# Altium PCB xialeste.PcbDoc (part 2 of 10) (continued)
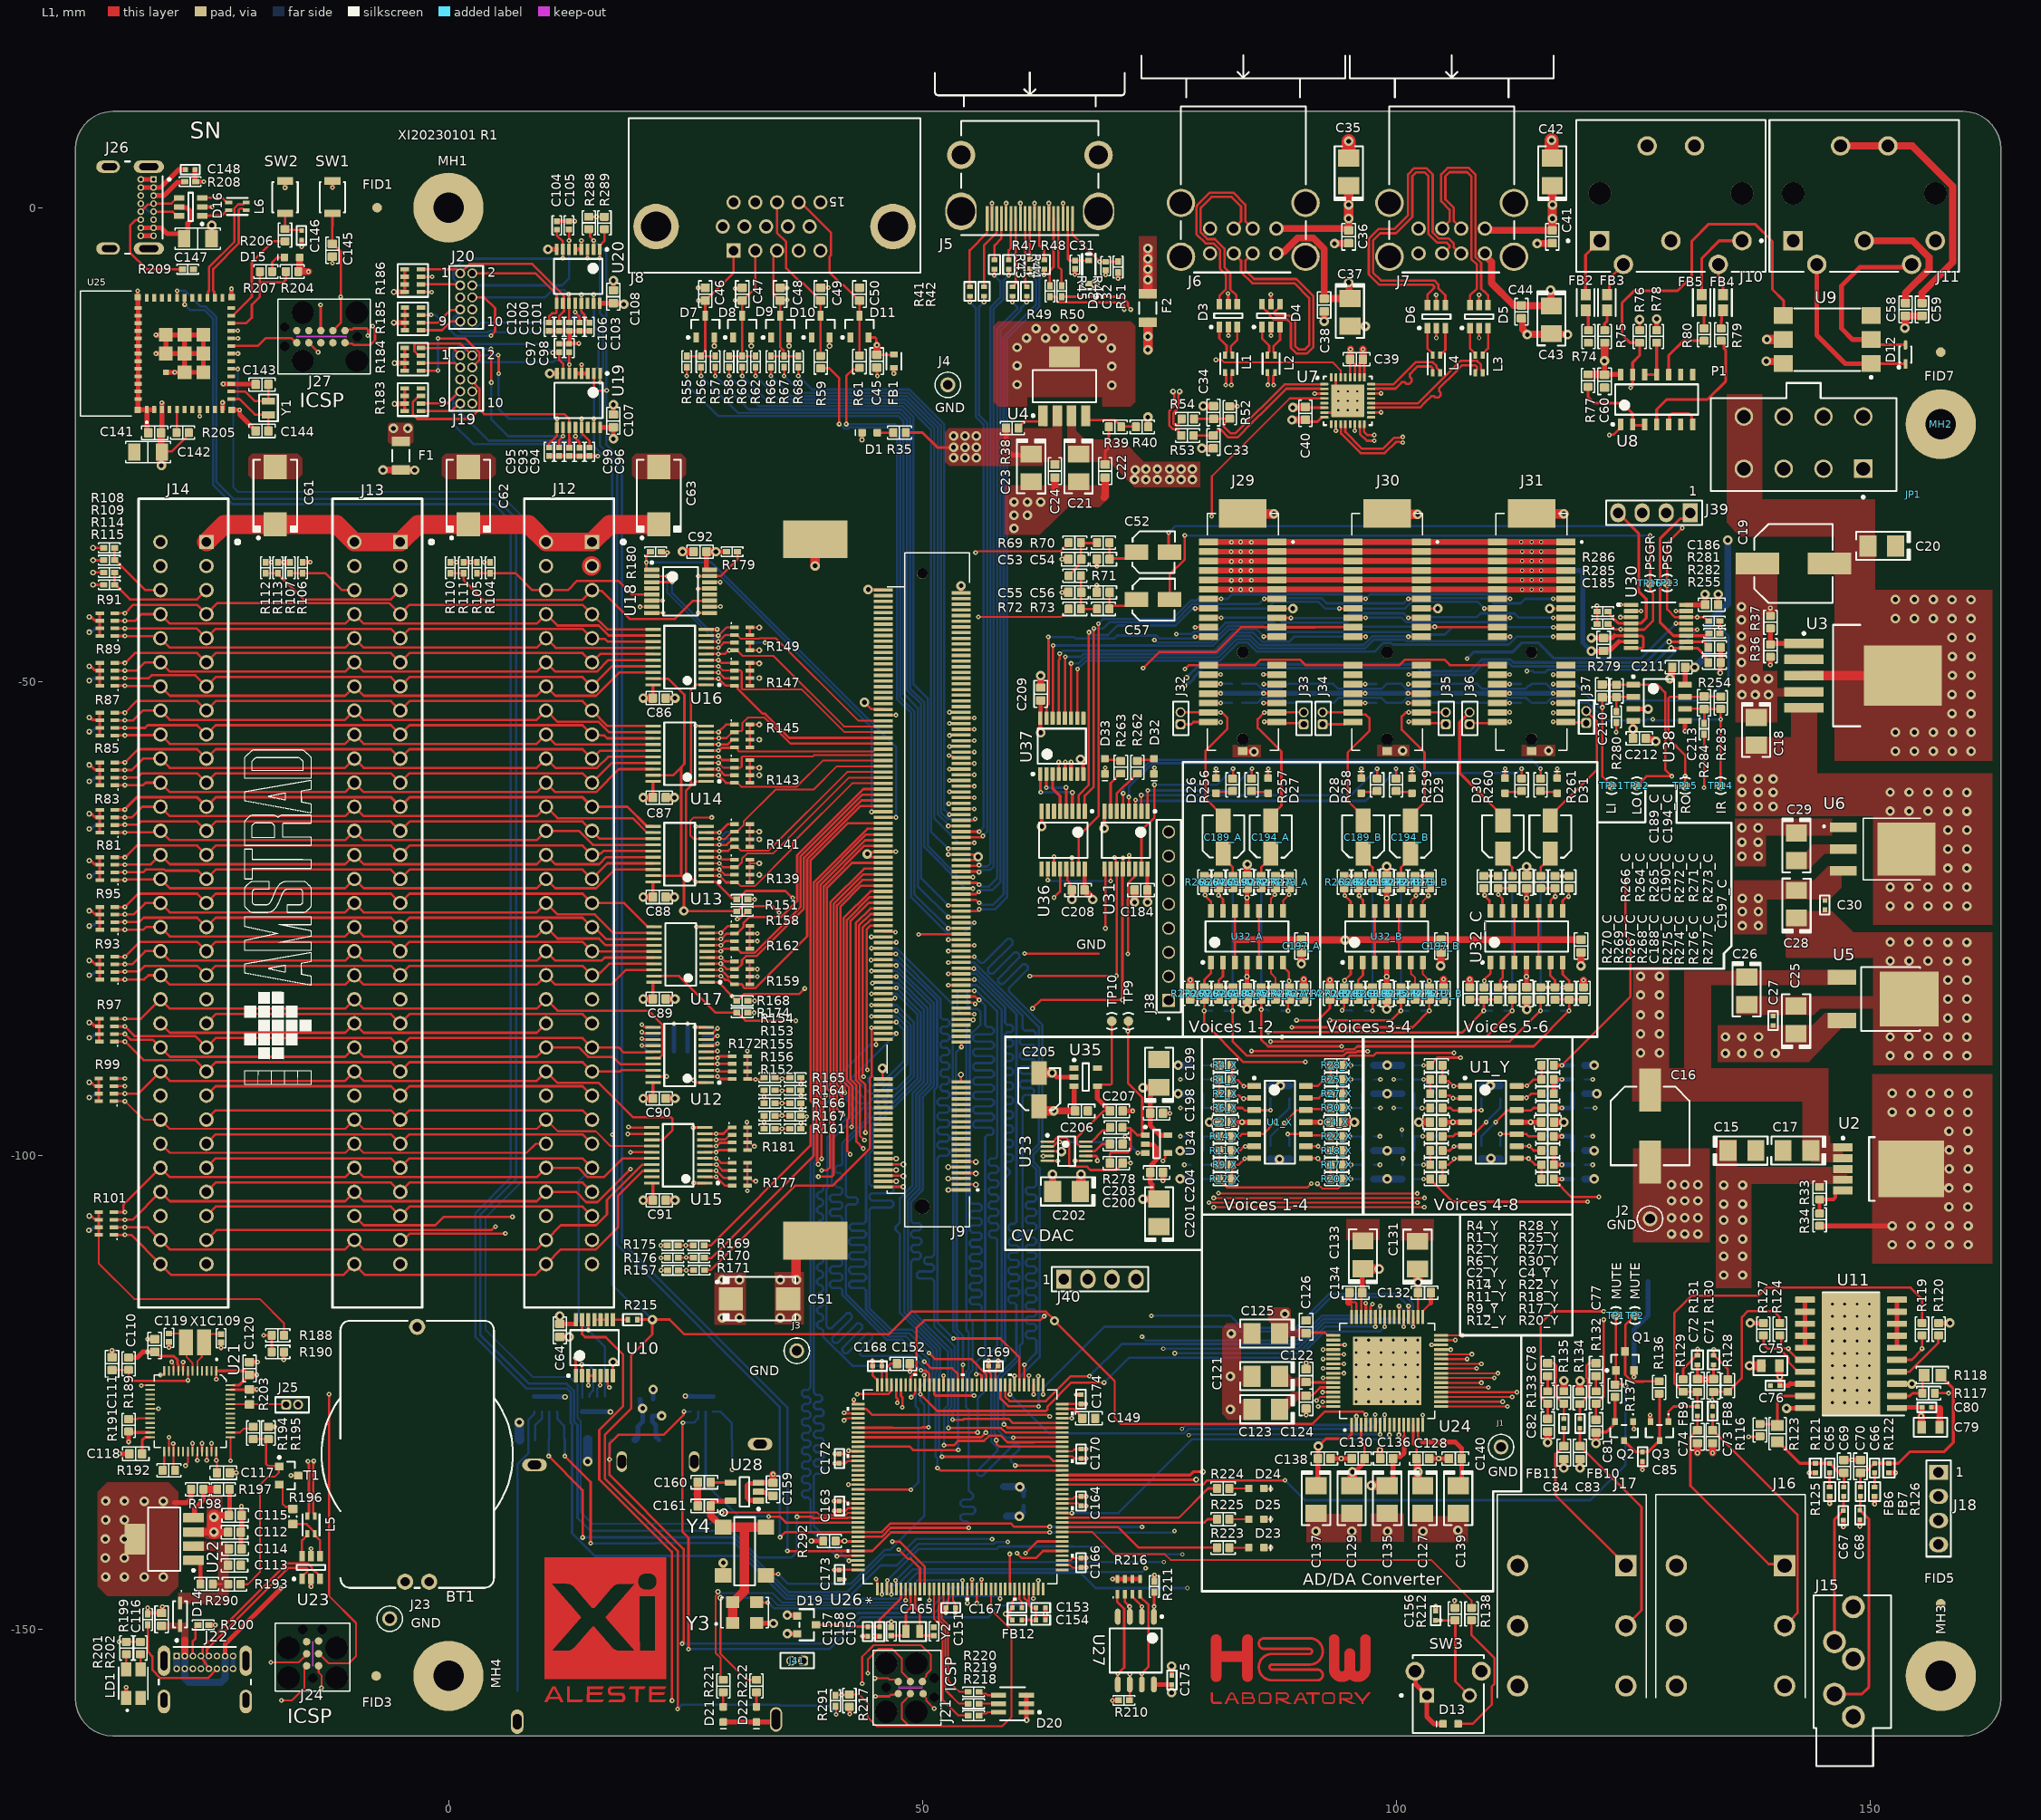
[diagram p0: L1 view]
## Components (designator, comment, footprint, x,y, rotation, side; value= is the part's Value field where it differs from the comment) (continued)
R274_C "1.5 kOhms" "RES 0603_1608" 116.767,-82.922 r270 top (schematic designator R274)
R275_A "1.5 kOhms" "RES 0603_1608" 85.767,-82.922 r90 top (schematic designator R275)
R275_B "1.5 kOhms" "RES 0603_1608" 100.517,-82.922 r90 top (schematic designator R275)
R275_C "1.5 kOhms" "RES 0603_1608" 115.267,-82.922 r90 top (schematic designator R275)
R276_A "47 Ohms" "RES 0603_1608" 88.767,-82.922 r270 top (schematic designator R276)
R276_B "47 Ohms" "RES 0603_1608" 103.517,-82.922 r270 top (schematic designator R276)
R276_C "47 Ohms" "RES 0603_1608" 118.267,-82.922 r270 top (schematic designator R276)
R277_A "1.5 kOhms" "RES 0603_1608" 90.267,-82.922 r270 top (schematic designator R277)
R277_B "1.5 kOhms" "RES 0603_1608" 105.017,-82.922 r270 top (schematic designator R277)
R277_C "1.5 kOhms" "RES 0603_1608" 119.767,-82.922 r270 top (schematic designator R277)
R278 "0 Ohms" "RES 0603_1608" 70.477,-97.072 r0 top
R279 "100 kOhms" "RES 0603_1608" 123.25,-51 r90 top
R280 "100 kOhms" "RES 0402_1005" 123.25,-53.75 r90 top
R281 "100 kOhms" "RES 0402_1005" 133.575,-43.624 r0 top
R282 "100 kOhms" "RES 0402_1005" 133.6,-44.925 r0 top
R283 "100 kOhms" "RES 0603_1608" 134.25,-52.25 r90 top
R284 "100 kOhms" "RES 0402_1005" 132.5,-55 r90 top
R285 "100 kOhms" "RES 0402_1005" 121.8,-43.925 r180 top
R286 "100 kOhms" "RES 0402_1005" 121.8,-42.624 r180 top
R287 "CAT16-102J4LF" BOUR-CAT16-103J4LF_L 23,-87.8 r0 bottom
R288 "4.7 kOhms" "RES 0603_1608" 14.805,-1.608 r90 top
R289 "4.7 kOhms" "RES 0603_1608" 16.456,-1.619 r90 top
R290 "10 kOhms" "RES 0603_1608" -25.525,-145.25 r0 top
R291 "1 kOhms" "RES 0402_1005" 40.839,-157.567 r270 top
R292 "100 kOhms" "RES 0603_1608" 40.2,-140.7 r0 top
SW1 "B3U-1000P" FP-B3U-1000P-MFG -12.245,1.1 r270 top
SW2 "B3U-1000P" FP-B3U-1000P-MFG -17.245,1.1 r270 top
SW3 "PTS645VK582LFS" FP-PTS645VK582LFS-MFG 105.5,-156.85 r0 top locked
T1 "MMBT3904LT1G" ONSC-SOT-23-3-318-08_V -16.851,-133.782 r0 top
TP1 "MUTE" TP_040MLS_1.0MM 123.2,-116.9 r90 top
TP2 "MUTE" TP_040MLS_1.0MM 125.2,-116.9 r270 top
TP9 "CV" TP_040MLS_1.0MM 71.75,-85.851 r90 top
TP10 "MUTE" TP_040MLS_1.0MM 70,-85.851 r90 top
TP11 "LI" TP_040MLS_1.0MM 122.75,-61 r270 top
TP12 "LO" TP_040MLS_1.0MM 125.4,-61 r90 top
TP13 "PSGL" TP_040MLS_1.0MM 128.6,-39.6 r90 top
TP14 "IR" TP_040MLS_1.0MM 134.25,-61 r90 top
TP15 "RO" TP_040MLS_1.0MM 130.5,-61 r90 top
TP16 "PSGR" TP_040MLS_1.0MM 126.8,-39.628 r90 top
U1_X "OPA4134UA" D0014A_N 87.75,-96.5 r0 top (schematic designator U1)
U1_Y "OPA4134UA" D0014A_N 110,-96.5 r0 top (schematic designator U1)
U2 "BD00FC00W" INF-PG-TO252-5-11_M 151.963,-101.44 r0 top
U3 "LM2991S/NOPB" KTT0005B_N 149.283,-49.38 r0 top
U4 "LP3965EMP-ADJ/NOPB" NDC0005A_M 65,-18.85 r90 top
U5 "MC7805CDTRKG" FP-369C-MFG 151.35,-83.5 r270 top
U6 "MC79M15BDT" TO229P990X238-4N 151.35,-67.69 r0 top
U7 "TUSB2046BIRHBT" RHB0032E_V 94.9,-20.375 r0 top
U8 "CD74ACT05M" D0014A_L 127.5,-20.25 r90 top
U9 "PC900V0NIPXF" SHRP-SOP-6_V 145.5,-13.925 r90 top
U10 "SN74AHCT08PW" PW0014A_N 15.4,-120.3 r90 top
U11 "TPA6120A2DWPR" DWP0020B_M 148,-120.95 r180 top
U12 "SN74AHCT245PWR" FP-PW0020A-MFG 24.4,-89.406 r180 top
U13 "SN74AHCT245PWR" FP-PW0020A-MFG 24.4,-68.219 r180 top
U14 "SN74AHCT245PWR" FP-PW0020A-MFG 24.4,-57.625 r180 top
U15 "SN74AHCT245PWR" FP-PW0020A-MFG 24.25,-100 r180 top
U16 "SN74AHCT245PWR" FP-PW0020A-MFG 24.4,-47.425 r180 top locked
U17 "SN74AHCT245PWR" FP-PW0020A-MFG 24.5,-78.812 r180 top
U18 "SN74AHCT139PW" PW0016A_M 24.5,-40.5 r0 top locked
U19 "PCA9557PWR" PW0016A_L 13.725,-20.347 r270 top
U20 "PCA9557PWR" PW0016A_L 13.698,-7.256 r270 top
U21 "STM32F103CBT6_1" LQFP48_0R5_7X7 -27.25,-127 r180 top
U22 "LP3965EMP-ADJ/NOPB" NDC0005A_M -30,-140.5 r180 top
U23 "USBLC6-2SC6" SOT23-6L -14.5,-143.5 r90 top
U24 "PCM3168APAP" IC_PCM3168APAP 99.06,-122.75 r90 top
U25 "ESP32-C3-MINI-1-N4" XCVR_ESP32-C3-MINI-1-N4 -30.54,-15.401 r90 top
U26 "STM32H750ZBT6" LQFP144_STM 54,-135 r90 top locked
U27 "N25Q128A13ESE40F" MICT-SE-8_N 72.535,-152.261 r270 top
U28 "LP2985-33DBVR" DBV0005A_M 31.25,-135.5 r180 top
U30 "CD74HC4052PWR" FP-PW0016A-MFG 127.7,-44.2 r0 top
U31 "SN74AHCT595PWR" PW0016A_M 71.5,-66.75 r270 top locked
U32_A "OPA4134UA" D0014A_N 84.267,-76.922 r90 top (schematic designator U32)
U32_B "OPA4134UA" D0014A_N 99.017,-76.922 r90 top (schematic designator U32)
U32_C "OPA4134UA" D0014A_N 113.767,-76.922 r90 top (schematic designator U32)
U33 "AD5444YRMZ" RM-10_L 65.227,-99.572 r0 top
U34 "AD8065ARTZ-REEL7" ADI-RJ-5_L 74.727,-98.822 r0 top
U35 "ADR02BUJZ-R2" ADI-UJ-5_N 67.25,-91.75 r0 top
U36 "SN74AHCT595PWR" PW0016A_M 64.872,-66.75 r270 top locked
U37 "SN74AHCT138PWR" PW0016A_N 64.727,-56.822 r90 top locked
U38 "TL062CDR" D0008A_N 127.75,-52.25 r0 top
X1 "NX3225GD-8.000M-EXS00A-CG04874" OSC_2SM_3R2X2R5 -26.75,-119.75 r180 top
Y1 "32.768kHz" ABS06 -19,-21.14 r270 top
Y2 "32.768kHz" ABS06 49,-150.25 r180 top
Y3 "ECS-3963-240-BN-TR" OSC_ECS-3963-240-BN-TR 31.25,-148.25 r0 top
Y4 "C3391-24.576" OSCSC508P520X720X180-4N 31.25,-141.79 r0 top

## Footprints (in the part's own frame and the unit in brackets; to place one, negate y for a bottom-side part, rotate by r counter-clockwise, add the part's x,y. Pads: shape width x height; smd on the part's side, far side on the other; paste and mask are expansions set on the pad)
0603_A [mm] "Chip LED, 2-Leads, Body 1.6x0.8mm, IPC Medium Density"
  rrect25% 0.8x0.8 smd: 1(-0.8,0) 2(0.8,0)
  silkscreen extent -1.5,-0.3 -1.5,0.3, body extent -0.8,-0.4 0.8,0.4, height 0.7
0603R [mm] "Chip Resistor, Body 1.6x0.8mm, IPC Medium Density"
  rrect25% 0.9x1 smd: 1(-0.8,0) 2(0.8,0)
  silkscreen extent -0.05,-0.4 0.05,0.4, body extent -0.85,-0.47 0.85,0.47, height 0.6
618015330923 [mm] "15 pins, right angled"
  rect 1.5x1.5 hole 1: 1(4.32,5.82)
  round 1.5 hole 1: 2(2.03,5.82) 3(-0.26,5.82) 4(-2.55,5.82) 5(-4.84,5.82) 6(5.46,3.28) 7(3.17,3.28) 8(0.88,3.28) 9(-1.41,3.28) 10(-3.7,3.28) 11(4.32,0.74) 12(2.03,0.74) 13(-0.26,0.74) 14(-2.55,0.74) 15(-4.84,0.74)
  round 4.8 hole 3.2: M1(-12.5,3.28) M2(12.5,3.28)
  silkscreen extent -15.4,-8.15 15.4,8.15, body extent -15.4,-14.15 15.4,8.15, height 12.55
ABS06 [mm]
  rect 0.75x1.4 smd: 1(-0.725,0) 2(0.725,0)
  silkscreen extent -1.4,-1 1.4,1, body extent -1,-0.62 1,0.6, height 0.61
ACM2012 [mm]
  rect 0.75x0.4 smd mask+0.076: 1(-0.925,0.4) 2(-0.925,-0.4) 3(0.925,-0.4) 4(0.925,0.4)
  silkscreen extent -1.1,-0.9 1.1,0.9, body extent -1,-0.6 1,0.6, height 1.3
ADI-RJ-5_L [mm] "SOT-23, 5-Leads, Body 2.9x1.6mm, Pitch 0.95mm, IPC High Density"
  rect 0.9x0.6 smd: 1(-1.2,0.95) 2(-1.2,0) 3(-1.2,-0.95) 4(1.2,-0.95) 5(1.2,0.95)
  silkscreen extent -1.32,-1.5 0.35,1.92, body extent -1.25,-1.5 1.25,1.5, height 1.1
ADI-UJ-5_N [mm] "SOT23, 5-Leads, Body 2.9x1.6mm, Pitch 0.95mm, IPC Medium Density"
  rect 0.95x0.6 smd: 1(-1.225,0.95) 2(-1.225,0) 3(-1.225,-0.95) 4(1.225,-0.95) 5(1.225,0.95)
  silkscreen extent -1.35,-1.45 0.35,1.92, body extent -1.25,-1.5 1.25,1.5, height 1.1
AMPHENOL_10146065-110T0LF [mm]
  rect 0.7x2 smd mask+0.025: A1(-9.5,3.6) A2(-8.5,3.6) A3(-7.5,3.6) A4(-6.5,3.6) A5(-5.5,3.6) A6(-4.5,3.6) A7(-3.5,3.6) A8(-2.5,3.6) A9(-1.5,3.6) A10(-0.5,3.6) A11(0.5,3.6) A12(3.5,3.6) A13(4.5,3.6) A14(5.5,3.6) A15(6.5,3.6) A16(7.5,3.6) A17(8.5,3.6) A18(9.5,3.6) B1(-9.5,-3.6) B2(-8.5,-3.6) B3(-7.5,-3.6) B4(-6.5,-3.6) B5(-5.5,-3.6) B6(-4.5,-3.6) B7(-3.5,-3.6) B8(-2.5,-3.6) B9(-1.5,-3.6) B10(-0.5,-3.6) B11(0.5,-3.6) B12(3.5,-3.6) B13(4.5,-3.6) B14(5.5,-3.6) B15(6.5,-3.6) B16(7.5,-3.6) B17(8.5,-3.6) B18(9.5,-3.6)
  rect 3x5 smd: S1(-12.5,0)
  rect 0.889x1 smd paste-1 mask+0: S2(12.555,0)
  round 1.25 hole 1.25 unplated: ""(2.15,0) ""(11.3,0)
  silkscreen extent -12.5,-3.75 12.5,5.4, body extent -13.54,-5.11 13.46,4.09, height 11.25
AMPHENOL_ACJS-MHOM [mm]
  round 2.25 hole 1.5: N(0,5.715) RN(0,-5.715) S(6.35,5.715) SN(6.35,-5.715) TN(-6.35,-5.715)
  rect 2.25x2.25 hole 1.5: T(-6.35,5.715)
  silkscreen extent -13.84,-7.87 7.62,7.87, body extent -13.73,-7.88 19.57,7.87, height 12.7
BA2032 [mm] "Creator MM. Wrong 3D model."
  round 1.7 hole 1: 1(0,0) 2(26.9,1.27) 3(26.9,-1.27)
  silkscreen extent -0.65,-10.1 27.55,10.1, body extent -0.55,-8 27.45,8, height 6.75
BOUR-CAT16-103J4LF_L [mm] "Chip Array, 8-Leads, Body 3.4x1.6mm, Pitch 0.8mm, IPC High Density"
  rect 0.9x0.4 smd: 1(-0.8,1.2) 2(-0.8,0.4) 3(-0.8,-0.4) 4(-0.8,-1.2) 5(0.8,-1.2) 6(0.8,-0.4) 7(0.8,0.4) 8(0.8,1.2)
  silkscreen extent -1.19,1.6 -1.09,1.7, body extent -0.95,-1.7 0.95,1.7, height 0.6
C0402 [mm]
  rect 0.5x0.5 smd: 1(-0.5,0) 2(0.5,0)
  silkscreen extent -1,-0.5 1,0.5, body extent -0.5,-0.25 0.5,0.25, height 0.56
C0805 [mm]
  rect 0.9x1.3 smd: 1(-0.95,0) 2(0.95,0)
  silkscreen extent -1.78,-1.02 1.78,1.02, body extent -1,-0.6 1,0.6, height 1.5
C1206 [mm]
  rect 0.9x1.6 smd: 1(-1.55,0) 2(1.55,0)
  silkscreen extent -2.29,-1.14 2.29,1.14, body extent -1.6,-0.8 1.6,0.8, height 1.8
"CAP 0402_1005" [mm] "Chip Capacitor, 2-Leads, Body 1.02x0.51mm, IPC Medium Density"
  rect 0.6x0.64 smd: 1(-0.44,0) 2(0.44,0)
  silkscreen extent -1,-0.5 1,0.5, body extent -0.5,-0.26 0.5,0.26, height 0.52
"CAP 0603_1608" [mm] "Chip Capacitor, 2-Leads, Body 1.60x0.80mm, IPC Medium Density"
  rrect25% 0.9x1 smd: 1(-0.675,0) 2(0.675,0)
  silkscreen extent -1.4,-0.7 1.4,0.7, body extent -0.8,-0.41 0.8,0.41, height 0.82
"CAP 0805_2012" [mm] "Chip Capacitor, 2-Leads, Body 2.00x1.20mm, IPC Medium Density"
  rect 1.3x1.4 smd: 1(-0.8,0) 2(0.8,0)
  silkscreen extent -1.7,-0.9 1.7,0.9, body extent -1,-0.64 1,0.64, height 1.26
"CAP 1206_3216 - 0.8MM" [mm] "Chip Capacitor, 2-Leads, Body 3.25x1.60mm, IPC Medium Density"
  rect 1.3x1.8 smd: 1(-1.45,0) 2(1.45,0)
  silkscreen extent -2.38,-1.13 2.37,1.13, body extent -1.6,-0.8 1.6,0.8, height 0.8
"CAP ALSMD 8.3MM H10.5MM" [mm] "Aluminum Electrolytic Capacitor, Body 8.30x8.30x10.50mm, IPC Low Density"
  rect 4.55x2.3 smd: 1(-3.8,0) 2(3.8,0)
  silkscreen extent -4.15,-4.15 4.15,4.15, body extent -4.95,-4.15 4.95,4.15, height 10.5
"CAP ALSMD POLY 4.3MM H5.5MM" [mm] "Aluminum Polymer Capacitor, Body 4.30x4.30x5.50mm, IPC Low Density"
  rect 2.5x1.6 smd: 1(-1.75,0) 2(1.75,0)
  silkscreen extent -2.17,-2.21 2.3,2.2, body extent -2.3,-2.2 2.3,2.2, height 5.5
"CAP POL 1411_3528" [mm] "Molded Capacitor, 2-Leads, Body 3.50x2.80mm, IPC Medium Density"
  rect 1.8x2.23 smd: 1(-1.46,0) 2(1.46,0)
  silkscreen extent -3,-1.5 2.71,1.48, body extent -1.87,-1.45 1.86,1.45, height 2
"CAP POL 2917_7343" [mm] "Molded Capacitor, 2-Leads, Body 7.30x4.30mm, IPC Medium Density"
  rect 2.55x2.45 smd: 1(-3.025,0) 2(3.025,0)
  silkscreen extent -4.57,-2.3 3.8,2.3, body extent -3.65,-2.15 3.65,2.15, height 4.1
D0008A_N [mm] "SOIC, 8-Leads, Body 5x4mm, Pitch 1.27mm, IPC Medium Density"
  rrect17% 1.45x0.6 smd: 1(-2.725,1.905) 2(-2.725,0.635) 3(-2.725,-0.635) 4(-2.725,-1.905) 5(2.725,-1.905) 6(2.725,-0.635) 7(2.725,0.635) 8(2.725,1.905)
  silkscreen extent -2.85,-2.5 1.6,2.88, body extent -3,-2.45 3,2.45, height 1.63
D0014A_L [mm] "SOIC, 14-Leads, Body 8.75x4mm, Pitch 1.27mm, IPC High Density"
  rrect18% 1.25x0.55 smd: 1(-2.625,3.81) 2(-2.625,2.54) 3(-2.625,1.27) 4(-2.625,0) 5(-2.625,-1.27) 6(-2.625,-2.54) 7(-2.625,-3.81) 8(2.625,-3.81) 9(2.625,-2.54) 10(2.625,-1.27) 11(2.625,0) 12(2.625,1.27) 13(2.625,2.54) 14(2.625,3.81)
  silkscreen extent -2.75,-4.38 1.6,4.76, body extent -3.02,-4.32 3.02,4.32, height 1.59
D0014A_N [mm] "SOIC, 14-Leads, Body 8.75x4mm, Pitch 1.27mm, IPC Medium Density"
  rrect17% 1.45x0.6 smd: 1(-2.725,3.81) 2(-2.725,2.54) 3(-2.725,1.27) 4(-2.725,0) 5(-2.725,-1.27) 6(-2.725,-2.54) 7(-2.725,-3.81) 8(2.725,-3.81) 9(2.725,-2.54) 10(2.725,-1.27) 11(2.725,0) 12(2.725,1.27) 13(2.725,2.54) 14(2.725,3.81)
  silkscreen extent -2.85,-4.37 1.6,4.78, body extent -3.02,-4.32 3.02,4.32, height 1.59
DBV0005A_M [mm] "SOT23, 5-Leads, Body 3.05x1.75mm, Pitch 0.95mm, IPC Low Density"
  rrect15% 1.2x0.65 smd: 1(-1.475,0.95) 2(-1.475,0) 3(-1.475,-0.95) 4(1.475,-0.95) 5(1.475,0.95)
  silkscreen extent -1.6,-1.55 0.5,1.95, body extent -1.42,-1.46 1.42,1.46, height 1.08
DWP0020B_M [mm] "SOP, 20-Leads, Body 13x7.6mm, Pitch 1.27mm, Thermal Pad 2.79x3.81mm, IPC Low Density"
  rrect15% 2.1x0.65 smd: 1(-4.85,5.715) 2(-4.85,4.445) 3(-4.85,3.175) 4(-4.85,1.905) 5(-4.85,0.635) 6(-4.85,-0.635) 7(-4.85,-1.905) 8(-4.85,-3.175) 9(-4.85,-4.445) 10(-4.85,-5.715) 11(4.85,-5.715) 12(4.85,-4.445) 13(4.85,-3.175) 14(4.85,-1.905) 15(4.85,-0.635) 16(4.85,0.635) 17(4.85,1.905) 18(4.85,3.175) 19(4.85,4.445) 20(4.85,5.715)
  rrect2% 6.2x12.95 smd paste-3.1 mask-3.1: 21(0,0)
  rrect4% 2.79x3.81 on Top Paste: 21(0,0)
  rrect4% 2.79x3.81 on Top Solder: 21(0,0)
  silkscreen extent -5.6,-6.5 3,6.5, body extent -5.22,-6.41 5.22,6.41, height 2.65
FID_40X120D#1 [mil]
  round 40 smd paste-40 mask+40: 1(0,0)
FID_40X120D#2 [mil]
  round 40 smd paste-40 mask+40: 1(0,-0.79)
FID_40X120D#3 [mil]
  round 40 smd paste-40 mask+40: 1(36.61,-0.79)
FP-0ZCJ0050FF2G-MFG [mm]
  rect 1x1.9 smd paste+0 mask+0: 1(-1.5,0) 2(1.5,0)
  silkscreen extent -0.63,-0.9 0.63,0.9, body extent -2.1,-1.05 2.1,1.05, height 0.25
FP-0ZCJ-MFG [mm]
  rect 1x1.9 smd paste+0 mask+0: 1(-1.5,0) 2(1.5,0)
  silkscreen extent -0.62,-0.9 0.62,0.9, body extent -2.1,-1.05 2.1,1.05, height 0.25
FP-57PC5F-MFG [mm]
  rect 2.05x2.05 hole 1.35 paste-1000 mask+0: 1(7.505,4.75)
  round 2.05 hole 1.35 paste-1000 mask+0: 2(0,4.75) 3(-7.505,4.75) 4(5.005,7.24) 5(-5.005,7.24) 6(-2.5,-5.26) 7(2.5,-5.26)
  round 2.39 hole 2.39 unplated paste-1000 mask+0: ""(-7.505,-0.26) ""(7.505,-0.26)
  silkscreen extent -10,-8 10.97,8, body extent -10.35,-8.1 10.35,8.36, height 0.25
FP-369C-MFG [mm]
  rect 1.6x3 smd paste+0 mask+0: 1(-2.285,-4.3) 3(2.285,-4.3)
  rect 5.8x6.2 smd paste+0 mask+0: 4(0,2.79)
  silkscreen extent -3.36,-2.29 3.37,3.93, body extent -3.46,-5.9 3.46,5.99, height 0.25
FP-477AB-IPC_C [mm]
  rect 1.006x0.392 smd paste+0 mask+0: 1(-1,0)
  rrect100% 1.006x0.392 smd paste+0 mask+0: 2(1,0)
  silkscreen extent -1.46,-0.65 0.85,0.82, body extent -1.6,-0.72 1.6,0.72, height 0.25
FP-5001-MFG [mm]
  round 1.57 hole 1.016 paste-1000 mask+0: 1(0,0)
  silkscreen extent -1.35,-1.34 1.35,1.34, body extent -1.45,-1.45 1.45,1.45, height 0.25
FP-213716-0001-MFG [mm]
  rrect100% 1.3x3.2 hole 2 slot 0.7 at 0 deg paste-1000 mask+0: 1(-4.32,3.065) 2(4.32,3.065)
  rrect100% 1.3x2.5 smd paste-1000 mask+0: 3(-4.32,-1.235) 4(4.32,-1.235)
  rrect100% 1.3x2.5 smd far side paste-1000 mask+0: 3(-4.32,-1.235) 4(4.32,-1.235)
  rrect100% 0.7x1.6 hole 1.6 slot 0.7 at 0 deg paste-1000 mask+0: 3(-4.32,-1.085) 4(4.32,-1.085)
  rect 0.7x0.7 hole 0.4 paste-1000 mask+0: A1(-2.975,3.565)
  round 0.7 hole 0.4 paste-1000 mask+0: A4(-2.125,3.565) A5(-1.275,3.565) A6(-0.425,3.565) A7(0.425,3.565) A8(1.275,3.565) A9(2.125,3.565) A12(2.975,3.565) B1(2.975,2.215) B4(2.125,2.215) B5(1.275,2.215) B6(0.425,2.215) B7(-0.425,2.215) B8(-1.275,2.215) B9(-2.125,2.215) B12(-2.975,2.215)
  silkscreen extent -4.87,0.54 4.87,5.34, body extent -5.07,-4.63 5.07,4.76, height 0.25
FP-B3U-1000P-MFG [mm]
  rect 0.8x1.7 smd paste+0 mask+0: 1(-1.7,0) 2(1.7,0)
  silkscreen extent -1.6,-1.35 1.6,1.35, body extent -2,-1.25 2,1.25, height 1.75
FP-MMZ1608-0_8-IPC_A [mm]
  rect 1.206x1.058 smd paste+0 mask+0: 1(-0.826,0) 2(0.826,0)
  silkscreen extent -1.43,-0.93 1.43,0.93, body extent -1.93,-1.03 1.93,1.03, height 0.25
FP-MPZ1608-0_8-MFG [mm]
  rect 0.6x0.8 smd paste+0 mask+0: 1(-0.7,0) 2(0.7,0)
  silkscreen extent -0.88,-0.8 0.87,0.8, body extent -1.1,-0.58 1.1,0.58, height 0.25
FP-PLCC-6-MFG [mm]
  rect 1.6x0.5 smd paste+0 mask+0: 1(-1.475,0.9) 2(-1.475,0) 3(-1.475,-0.9) 4(1.475,-0.9) 5(1.475,0) 6(1.475,0.9)
  silkscreen extent -2.98,-1.75 1.3,1.75, body extent -2.37,-1.6 2.37,1.6, height 0.25
FP-PTS645VK582LFS-MFG [mm]
  rect 1.55x1.55 hole 1 paste-1000 mask+0: 1(-2.25,-0.15)
  round 1.55 hole 1 paste-1000 mask+0: 2(2.25,-0.15)
  round 2 hole 1.3 paste-1000 mask+0: 3(-3.5,2.4) 4(3.5,2.4)
  silkscreen extent -5.07,-4.1 3.75,4.1, body extent -4.6,-4.2 4.6,4.2, height 0.25
FP-PW0016A-MFG [mm]
  rrect22% 1.5x0.45 smd paste+0 mask+0: 1(-2.9,2.275) 2(-2.9,1.625) 3(-2.9,0.975) 4(-2.9,0.325) 5(-2.9,-0.325) 6(-2.9,-0.975) 7(-2.9,-1.625) 8(-2.9,-2.275) 9(2.9,-2.275) 10(2.9,-1.625) 11(2.9,-0.975) 12(2.9,-0.325) 13(2.9,0.325) 14(2.9,0.975) 15(2.9,1.625) 16(2.9,2.275)
  silkscreen extent -4.37,-2.55 1.78,2.55, body extent -3.75,-2.8 3.75,2.8, height 0.25
FP-PW0020A-MFG [mm]
  rect 1.6x0.3 smd paste-1000 mask+0: 1(-2.8,2.925) 2(-2.8,2.275) 3(-2.8,1.625) 4(-2.8,0.975) 5(-2.8,0.325) 6(-2.8,-0.325) 7(-2.8,-0.975) 8(-2.8,-1.625) 9(-2.8,-2.275) 10(-2.8,-2.925) 11(2.8,-2.925) 12(2.8,-2.275) 13(2.8,-1.625) 14(2.8,-0.975) 15(2.8,-0.325) 16(2.8,0.325) 17(2.8,0.975) 18(2.8,1.625) 19(2.8,2.275) 20(2.8,2.925)
  silkscreen extent -4.3,-3.3 1.62,3.3, body extent -3.7,-3.55 3.7,3.55, height 0.25
HDMI [mm]
  rect 2.6x0.3 smd mask+0.025: 1(-3.36,4.5) 2(-3.36,4) 3(-3.36,3.5) 4(-3.36,3) 5(-3.36,2.5) 6(-3.36,2) 7(-3.36,1.5) 8(-3.36,1) 9(-3.36,0.5) 10(-3.36,0) 11(-3.36,-0.5) 12(-3.36,-1) 13(-3.36,-1.5) 14(-3.36,-2) 15(-3.36,-2.5) 16(-3.36,-3) 17(-3.36,-3.5) 18(-3.36,-4) 19(-3.36,-4.5)
  oval 4x3.3 hole 3: MTG1(-2.6,7.25) MTG3(-2.6,-7.25)
  round 3 hole 2: MTG2(3.36,7.25) MTG4(3.36,-7.25)
  silkscreen extent -5.1,-10 12.05,10, body extent -4.53,-7.5 7.62,7.5, height 6.23
HDR-VERT-1X2-1.27MM [mm] "Pin Header, pitch 1.27 mm, THT, Vertical, dual row, 2p"
  rrect50% 1.05x1.05 hole 0.7: 1(0.06,-0.635)
  round 1.05 hole 0.7: 2(0.06,0.635)
  silkscreen extent -0.72,-1.77 0.9,1.78, body extent -0.54,-1.7 0.73,1.7, height 6.09
HDR-VERT-2X5-1.27MM [mm] "Pin Header, pitch 1.27 mm, THT, Vertical, dual row, 10p"
  round 1.05 hole 0.7: 1(-2.54,-0.635) 2(-2.54,0.635) 3(-1.27,-0.635) 4(-1.27,0.635) 5(0,-0.635) 6(0,0.635) 7(1.27,-0.635) 8(1.27,0.635) 9(2.54,-0.635) 10(2.54,0.635)
  silkscreen extent -3.33,-1.77 3.33,1.78, body extent -3.17,-1.7 3.18,1.7, height 5.33
HDR_VERT_1X4_2.54MM [mm] "Creator MM"
  rect 2x1.6 hole 1.1: 1(0,0)
  oval 2x1.6 hole 1.1: 2(0,-2.54) 3(0,-5.08) 4(0,-7.62)
  silkscreen extent -1.3,-8.89 1.3,1.27, body extent -1.22,-8.92 1.28,1.25, height 10.54
HIROSE_DM1B-DSF-PEJ(82) [mm]
  rect 1.1x2.5 smd: 1(-6.875,1.25) 2(-4.375,1.25) 3(-1.875,1.25) 4(0.625,1.25) 5(3.125,1.25) 6(5.625,1.25) 7(8.05,1.25) 8(9.75,1.25)
  rect 1.25x2.5 smd: 9(-9.57,1.25)
  rect 0.8x2.5 smd: 10(11.2,1.25)
  rect 1.4x2.5 smd: 11(12.8,1.25)
  rect 2.2x3.5 smd: 12(13.03,-25.23)
  oval 2.6x1.3 hole 0.9 slot 1.4 at 0 deg: S1(-12.57,0.8) S4(11.23,-1.4)
  oval 1.1x2.2 hole 0.9 slot 1.4 at 90 deg: S2(-5.62,-1.05) S3(2.03,-1.05)
  oval 1.3x2.6 hole 0.9 slot 2.1 at 90 deg: S5(-14.25,-28.25)
  oval 1.3x2.6 hole 0.9 slot 1.6 at 90 deg: S6(13.06,-28.5)
  silkscreen extent -14.35,-29 13.65,3.2, body extent -14.38,-29.62 13.67,0.83, height 2.9
HSMF-A201 [mm] "LED"
  rect 1.5x1.1 smd: 1(-1.5,0.75) 2(1.5,0.75) 3(1.5,-0.75) 4(-1.5,-0.75)
  silkscreen extent -2.89,-1.55 1.75,1.55, body extent -1.74,-1.5 1.74,1.5, height 1.9
IC_PCM3168APAP [mm]
  rect 1.5x0.3 smd mask+0.015: 1(-5.7,3.75) 2(-5.7,3.25) 3(-5.7,2.75) 4(-5.7,2.25) 5(-5.7,1.75) 6(-5.7,1.25) 7(-5.7,0.75) 8(-5.7,0.25) 9(-5.7,-0.25) 10(-5.7,-0.75) 11(-5.7,-1.25) 12(-5.7,-1.75) 13(-5.7,-2.25) 14(-5.7,-2.75) 15(-5.7,-3.25) 16(-5.7,-3.75) 33(5.7,-3.75) 34(5.7,-3.25) 35(5.7,-2.75) 36(5.7,-2.25) 37(5.7,-1.75) 38(5.7,-1.25) 39(5.7,-0.75) 40(5.7,-0.25) 41(5.7,0.25) 42(5.7,0.75) 43(5.7,1.25) 44(5.7,1.75) 45(5.7,2.25) 46(5.7,2.75) 47(5.7,3.25) 48(5.7,3.75)
  rect 0.3x1.5 smd mask+0.015: 17(-3.75,-5.7) 18(-3.25,-5.7) 19(-2.75,-5.7) 20(-2.25,-5.7) 21(-1.75,-5.7) 22(-1.25,-5.7) 23(-0.75,-5.7) 24(-0.25,-5.7) 25(0.25,-5.7) 26(0.75,-5.7) 27(1.25,-5.7) 28(1.75,-5.7) 29(2.25,-5.7) 30(2.75,-5.7) 31(3.25,-5.7) 32(3.75,-5.7) 49(3.75,5.7) 50(3.25,5.7) 51(2.75,5.7) 52(2.25,5.7) 53(1.75,5.7) 54(1.25,5.7) 55(0.75,5.7) 56(0.25,5.7) 57(-0.25,5.7) 58(-0.75,5.7) 59(-1.25,5.7) 60(-1.75,5.7) 61(-2.25,5.7) 62(-2.75,5.7) 63(-3.25,5.7) 64(-3.75,5.7)
  rect 7.26x7.26 smd mask+0.015: 65(0,0)
  silkscreen extent -6.35,-5 5,5, body extent -6,-6 6,6, height 1.2
INF-PG-TO252-5-11_M [mm] "DPAK, 5-Leads, Body 6.5x6.12mm, Pitch 1.14mm, IPC Low Density"
  rect 2.05x0.85 smd: 1(-4.8,2.28) 2(-4.8,1.14) 3(-4.8,0) 4(-4.8,-1.14) 5(-4.8,-2.28)
  rect 6.9x5.95 smd: 6(2.4,0)
  silkscreen extent -4.92,-3.35 -1.45,3.38, body extent -5.32,-3.43 4.88,3.37, height 2.4
INF-SOT23_N [mm] "SOT23, 3-Leads, Body 2.9x1.3 mm, Pitch 0.95 mm, IPC Medium Density"
  rect 1.05x0.6 smd: 1(-1.15,0.95) 2(-1.15,-0.95) 3(1.15,0)
  silkscreen extent -1.27,-1.5 0.7,1.92, body extent -1.35,-1.5 1.15,1.5, height 1.1
KTT0005B_N [mm] "DPAK, 5-Leads, Body 10.65x9.65mm, Pitch 1.7mm, IPC Medium Density"
  rrect10% 4.15x1 smd: 1(-6.25,3.4) 2(-6.25,1.7) 3(-6.25,0) 4(-6.25,-1.7) 5(-6.25,-3.4)
  rrect2% 8.2x6.4 smd: 6(4.2,0)
  silkscreen extent -6.37,-5.35 -0.3,5.35, body extent -7.99,-5.32 7.86,5.32, height 4.8
LQFP48_0R5_7X7 [mm] "Low & medium-density value line, advanced ARM-based 32-bit MCU"
  rect 0.2x1 smd: 1(-2.75,-4.25) 2(-2.25,-4.25) 3(-1.75,-4.25) 4(-1.25,-4.25) 5(-0.75,-4.25) 6(-0.25,-4.25) 7(0.25,-4.25) 8(0.75,-4.25) 9(1.25,-4.25) 10(1.75,-4.25) 11(2.25,-4.25) 12(2.75,-4.25) 25(2.75,4.25) 26(2.25,4.25) 27(1.75,4.25) 28(1.25,4.25) 29(0.75,4.25) 30(0.25,4.25) 31(-0.25,4.25) 32(-0.75,4.25) 33(-1.25,4.25) 34(-1.75,4.25) 35(-2.25,4.25) 36(-2.75,4.25)
  rect 1x0.2 smd: 13(4.25,-2.75) 14(4.25,-2.25) 15(4.25,-1.75) 16(4.25,-1.25) 17(4.25,-0.75) 18(4.25,-0.25) 19(4.25,0.25) 20(4.25,0.75) 21(4.25,1.25) 22(4.25,1.75) 23(4.25,2.25) 24(4.25,2.75) 37(-4.25,2.75) 38(-4.25,2.25) 39(-4.25,1.75) 40(-4.25,1.25) 41(-4.25,0.75) 42(-4.25,0.25) 43(-4.25,-0.25) 44(-4.25,-0.75) 45(-4.25,-1.25) 46(-4.25,-1.75) 47(-4.25,-2.25) 48(-4.25,-2.75)
  silkscreen extent -3.81,-5.52 3.81,3.81, body extent -4.5,-4.5 4.5,4.5, height 1.56
LQFP144_STM [mil]
  rect 53.5x11 smd paste+0 mask+0: 1(-424.25,344.49) 2(-424.25,324.8) 3(-424.25,305.12) 4(-424.25,285.43) 5(-424.25,265.75) 6(-424.25,246.06) 7(-424.25,226.38) 8(-424.25,206.69) 9(-424.25,187.01) 10(-424.25,167.32) 11(-424.25,147.64) 12(-424.25,127.95) 13(-424.25,108.27) 14(-424.25,88.58) 15(-424.25,68.9) 16(-424.25,49.21) 17(-424.25,29.53) 18(-424.25,9.84) 19(-424.25,-9.84) 20(-424.25,-29.53) 21(-424.25,-49.21) 22(-424.25,-68.9) 23(-424.25,-88.58) 24(-424.25,-108.27) 25(-424.25,-127.95) 26(-424.25,-147.64) 27(-424.25,-167.32) 28(-424.25,-187.01) 29(-424.25,-206.69) 30(-424.25,-226.38) 31(-424.25,-246.06) 32(-424.25,-265.75) 33(-424.25,-285.43) 34(-424.25,-305.12) 35(-424.25,-324.8) 36(-424.25,-344.49) 73(424.25,-344.49) 74(424.25,-324.8) 75(424.25,-305.12) 76(424.25,-285.43) 77(424.25,-265.75) 78(424.25,-246.06) 79(424.25,-226.38) 80(424.25,-206.69) 81(424.25,-187.01) 82(424.25,-167.32) 83(424.25,-147.64) 84(424.25,-127.95) 85(424.25,-108.27) 86(424.25,-88.58) 87(424.25,-68.9) 88(424.25,-49.21) 89(424.25,-29.53) 90(424.25,-9.84) 91(424.25,9.84) 92(424.25,29.53) 93(424.25,49.21) 94(424.25,68.9) 95(424.25,88.58) 96(424.25,108.27) 97(424.25,127.95) 98(424.25,147.64) 99(424.25,167.32) 100(424.25,187.01) 101(424.25,206.69) 102(424.25,226.38) 103(424.25,246.06) 104(424.25,265.75) 105(424.25,285.43) 106(424.25,305.12) 107(424.25,324.8) 108(424.25,344.49)
  rect 11x53.5 smd paste+0 mask+0: 37(-344.49,-424.25) 38(-324.8,-424.25) 39(-305.12,-424.25) 40(-285.43,-424.25) 41(-265.75,-424.25) 42(-246.06,-424.25) 43(-226.38,-424.25) 44(-206.69,-424.25) 45(-187.01,-424.25) 46(-167.32,-424.25) 47(-147.64,-424.25) 48(-127.95,-424.25) 49(-108.27,-424.25) 50(-88.58,-424.25) 51(-68.9,-424.25) 52(-49.21,-424.25) 53(-29.53,-424.25) 54(-9.84,-424.25) 55(9.84,-424.25) 56(29.53,-424.25) 57(49.21,-424.25) 58(68.9,-424.25) 59(88.58,-424.25) 60(108.27,-424.25) 61(127.95,-424.25) 62(147.64,-424.25) 63(167.32,-424.25) 64(187.01,-424.25) 65(206.69,-424.25) 66(226.38,-424.25) 67(246.06,-424.25) 68(265.75,-424.25) 69(285.43,-424.25) 70(305.12,-424.25) 71(324.8,-424.25) 72(344.49,-424.25) 109(344.49,424.25) 110(324.8,424.25) 111(305.12,424.25) 112(285.43,424.25) 113(265.75,424.25) 114(246.06,424.25) 115(226.38,424.25) 116(206.69,424.25) 117(187.01,424.25) 118(167.32,424.25) 119(147.64,424.25) 120(127.95,424.25) 121(108.27,424.25) 122(88.58,424.25) 123(68.9,424.25) 124(49.21,424.25) 125(29.53,424.25) 126(9.84,424.25) 127(-9.84,424.25) 128(-29.53,424.25) 129(-49.21,424.25) 130(-68.9,424.25) 131(-88.58,424.25) 132(-108.27,424.25) 133(-127.95,424.25) 134(-147.64,424.25) 135(-167.32,424.25) 136(-187.01,424.25) 137(-206.69,424.25) 138(-226.38,424.25) 139(-246.06,424.25) 140(-265.75,424.25) 141(-285.43,424.25) 142(-305.12,424.25) 143(-324.8,424.25) 144(-344.49,424.25)
  silkscreen extent -471,-471 471,471, body extent -437,-437 437,437, height 63
MH_7.4MMD_3.2MMD [mm]
  round 7.4 / inner round 3.683 / far side round 7.4 hole 3.2 mask+0.025: 1(0,0)
MICT-SE-8_N [mm] "SOIC, 8-Leads, Body 5.5x5.5mm, Pitch 1.27mm, IPC Medium Density"
  oval 1.7x0.6 smd: 1(-3.575,1.905) 2(-3.575,0.635) 3(-3.575,-0.635) 4(-3.575,-1.905) 5(3.575,-1.905) 6(3.575,-0.635) 7(3.575,0.635) 8(3.575,1.905)
  silkscreen extent -3.7,-2.75 2.32,2.88, body extent -3.13,-2.5 3.13,2.5, height 1.75
MOLX-39-28-1083_V [mm] "PCB Header, 8-Leads, Vertical, Pitch 4.2 mm, Through Hole"
  rect 1.95x1.95 hole 1.45: 1(-6.3,2.75)
  round 1.95 hole 1.45: 2(-2.1,2.75) 3(2.1,2.75) 4(6.3,2.75) 5(-6.3,-2.75) 6(-2.1,-2.75) 7(2.1,-2.75) 8(6.3,-2.75)
  silkscreen extent -9.8,-6.3 9.8,5.87, body extent -9.4,-6 9.4,5, height 12.8
NDC0005A_M [mm] "SOT223, 5-Leads, Body 6.7x3.71mm, Pitch 1.5mm, IPC Low Density"
  rrect10% 2.2x1 smd: 1(-3.1,2.25) 2(-3.1,0.75) 3(-3.1,-0.75) 4(-3.1,-2.25)
  rrect5% 2.2x3.25 smd: 5(3.1,0)
  silkscreen extent -3.22,-3.35 1.7,3.42, body extent -3.48,-3.25 3.48,3.25, height 1.7
NXP-TO-236AB-3_V [mm] "SOT23, 3-Leads, Body 1.3x2.9mm, Pitch 1.9mm"
  rect 0.6x0.7 smd paste-0.05: 1(0.95,1) 2(-0.95,1) 3(0,-1)
  silkscreen extent -1.45,-0.65 1.45,1.79, body extent -1.5,-1.25 1.5,1.25, height 1.1
ONSC-SOT-23-3-318-08_V [mm] "SOT23, 3-Leads, Body 2.92x1.3mm, Pitch 0.95mm"
  rect 0.9x0.8 smd: 1(-1,0.95) 2(-1,-0.95) 3(1,0)
  silkscreen extent -1.12,-1.46 0.65,2.02, body extent -1.25,-1.5 1.25,1.5, height 1.1
OSC_2SM_3R2X2R5 [mm] "Crystal 8M Hz 3.2x2.5mm SMD"
  rect 1.5x2.7 smd: 1(-0.95,0) 2(0.95,0)
  body extent -1.6,-1.25 1.6,1.25, height 1.1
OSC_ECS-3963-240-BN-TR [mm]
  rect 1.4x1.2 smd: 1(-1.27,-1.1) 2(1.27,-1.1) 3(1.27,1.1) 4(-1.27,1.1)
  silkscreen extent -3.1,-1.6 2.5,1.6, body extent -2.5,-1.6 2.5,1.6, height 1.3
OSCSC508P520X720X180-4N [mm]
  rect 1.75x1.55 smd: 1(-2.25,2.54) 2(-2.25,-2.54) 3(2.25,-2.54) 4(2.25,2.54)
  silkscreen extent -2.56,-3.6 1.1,4.46, body extent -2.6,-3.59 2.6,3.59, height 1.81
PW0014A_N [mm] "SOP, 14-Leads, Body 5.1x4.5mm, Pitch 0.65mm, IPC Medium Density"
  rrect22% 1.4x0.45 smd mask+0.015: 1(-2.95,1.95) 2(-2.95,1.3) 3(-2.95,0.65) 4(-2.95,0) 5(-2.95,-0.65) 6(-2.95,-1.3) 7(-2.95,-1.95) 8(2.95,-1.95) 9(2.95,-1.3) 10(2.95,-0.65) 11(2.95,0) 12(2.95,0.65) 13(2.95,1.3) 14(2.95,1.95)
  silkscreen extent -3.07,-2.55 1.85,2.85, body extent -3.21,-2.5 3.21,2.5, height 1